# Altium PCB FIT_TDC_ADC.PcbDoc (part 1 of 10)
Units mm, origin at the board's own origin, x right, y up, seen from the top; angles counter-clockwise.
Board outline 89.38 x 69 mm, 8 copper layers (Top Layer, GND1, SIGNAL2, POWER3, POWER4, SIGNAL5, GND6, Bottom Layer), stack 1.028 mm thick; 495 components, 463 nets, 2013 pads, 1239 vias.
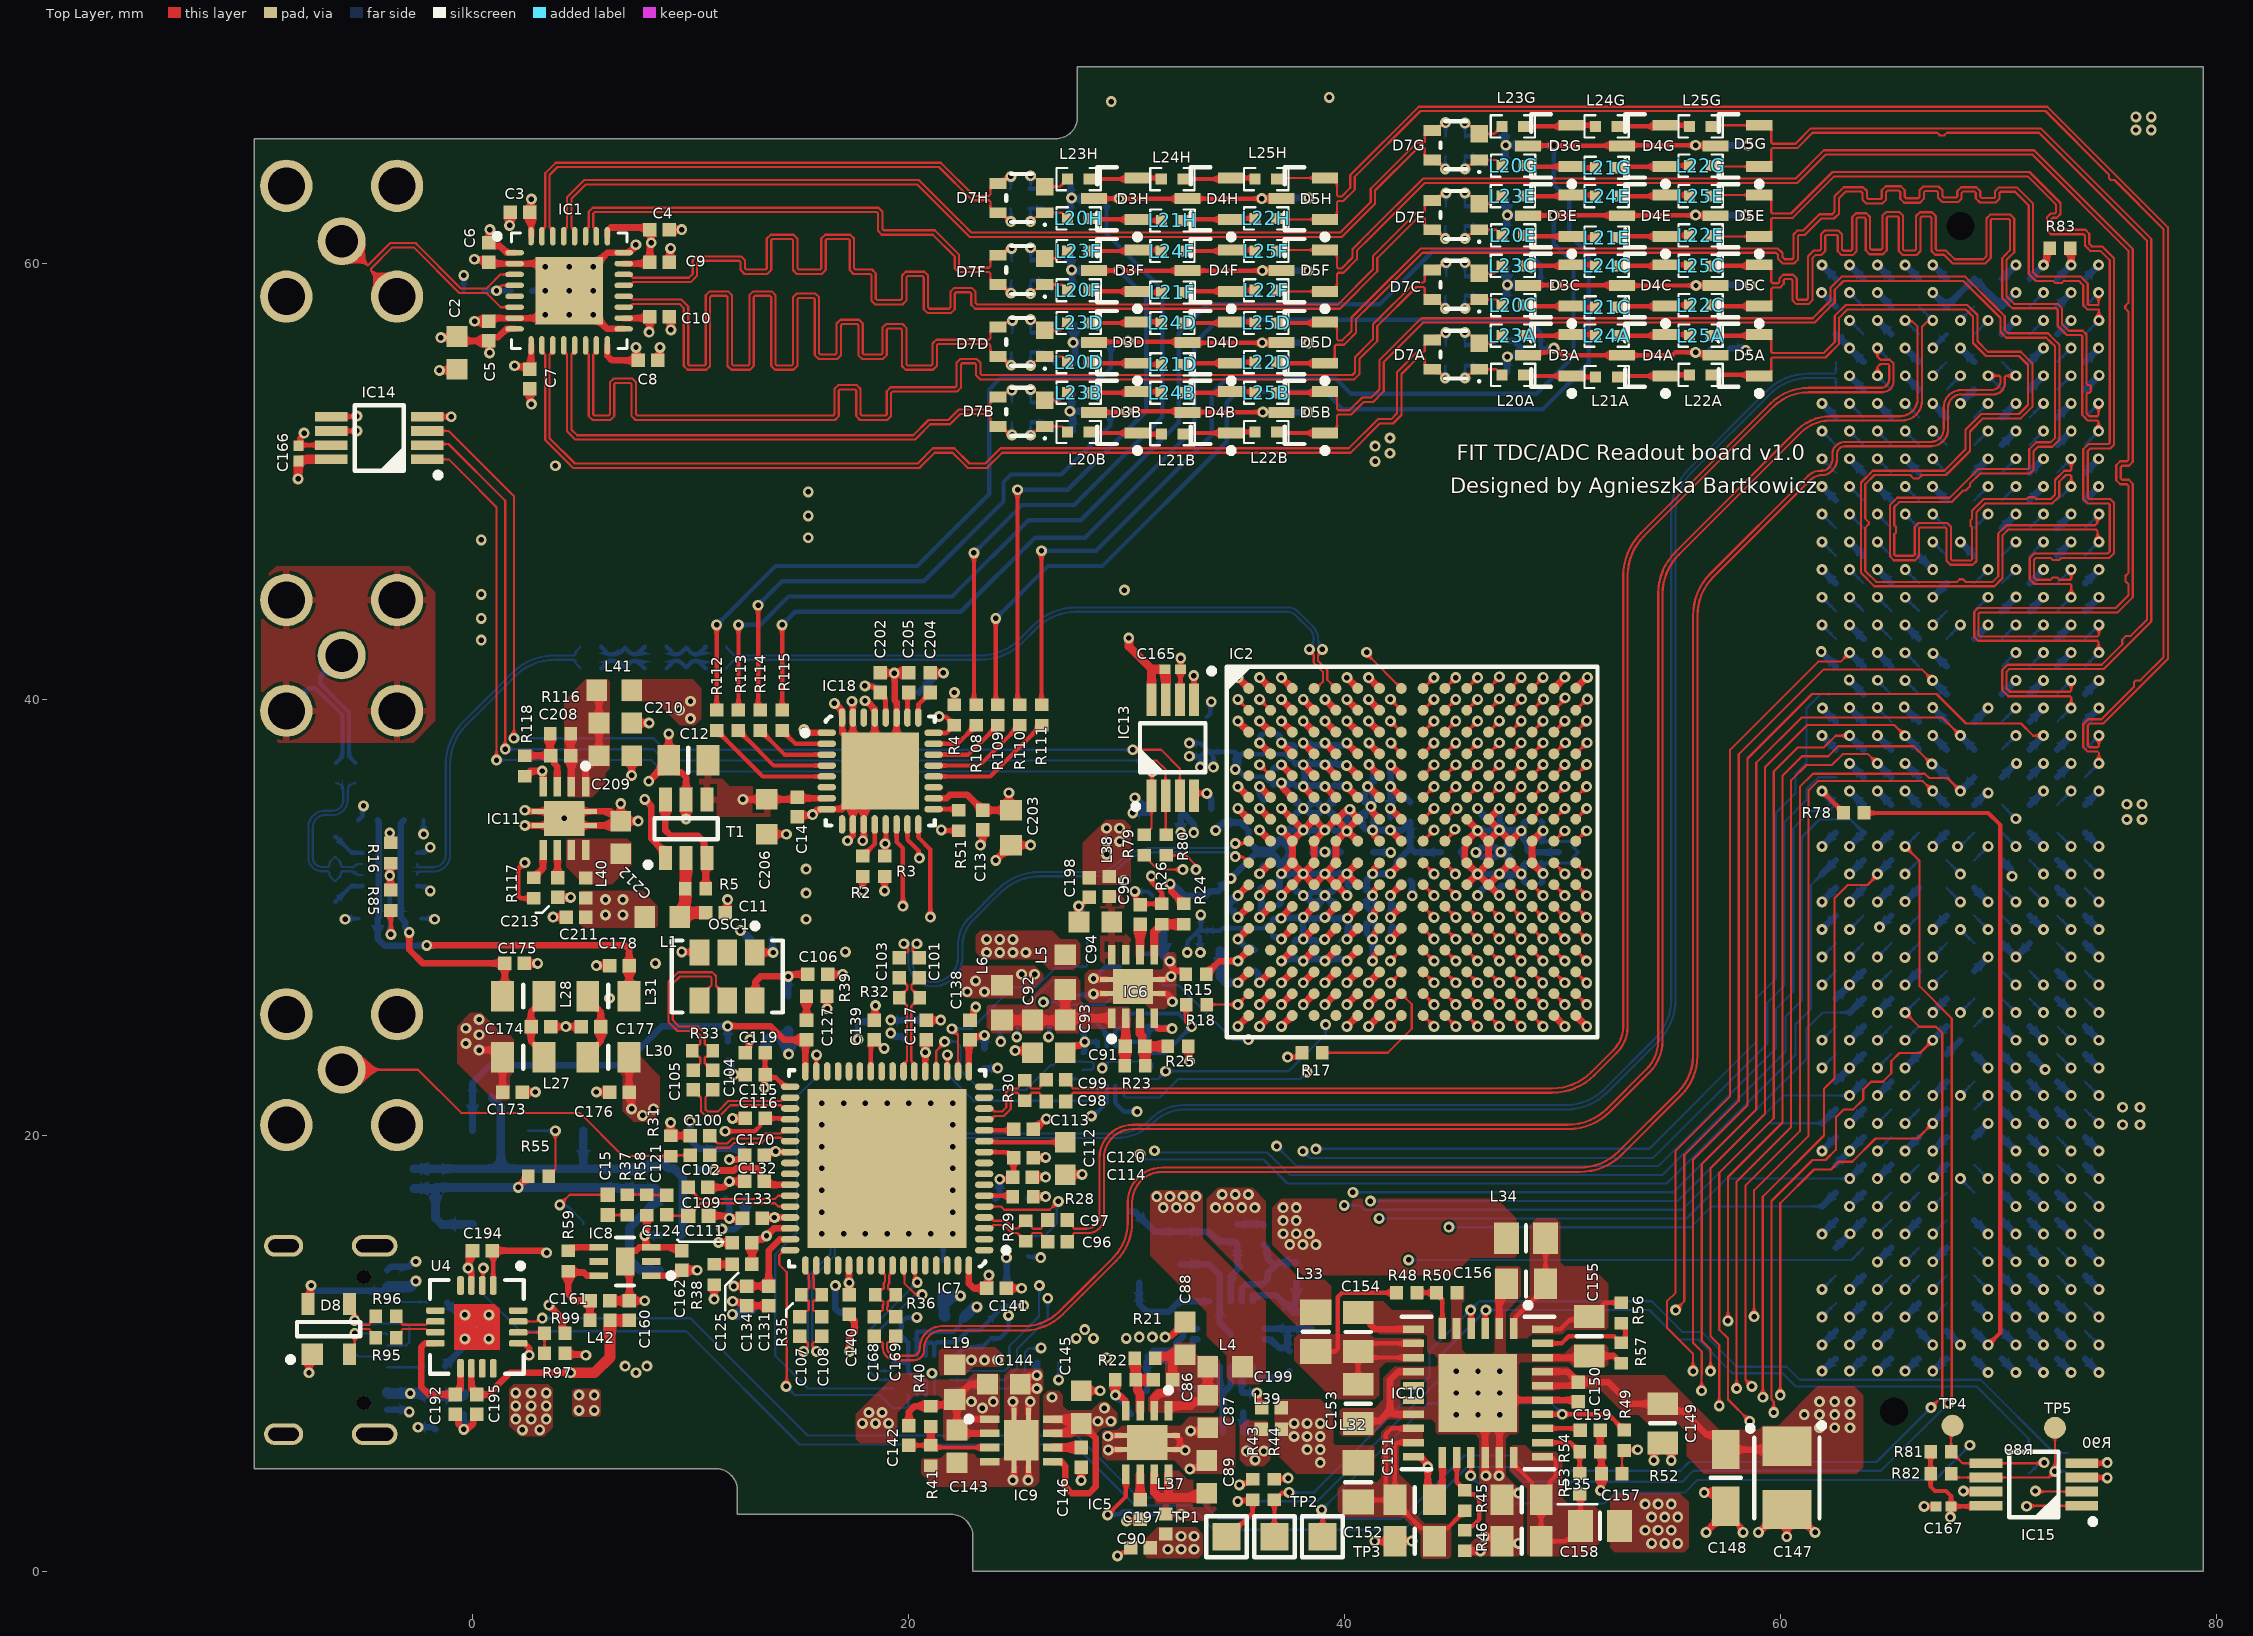
[diagram p0: Top Layer view]
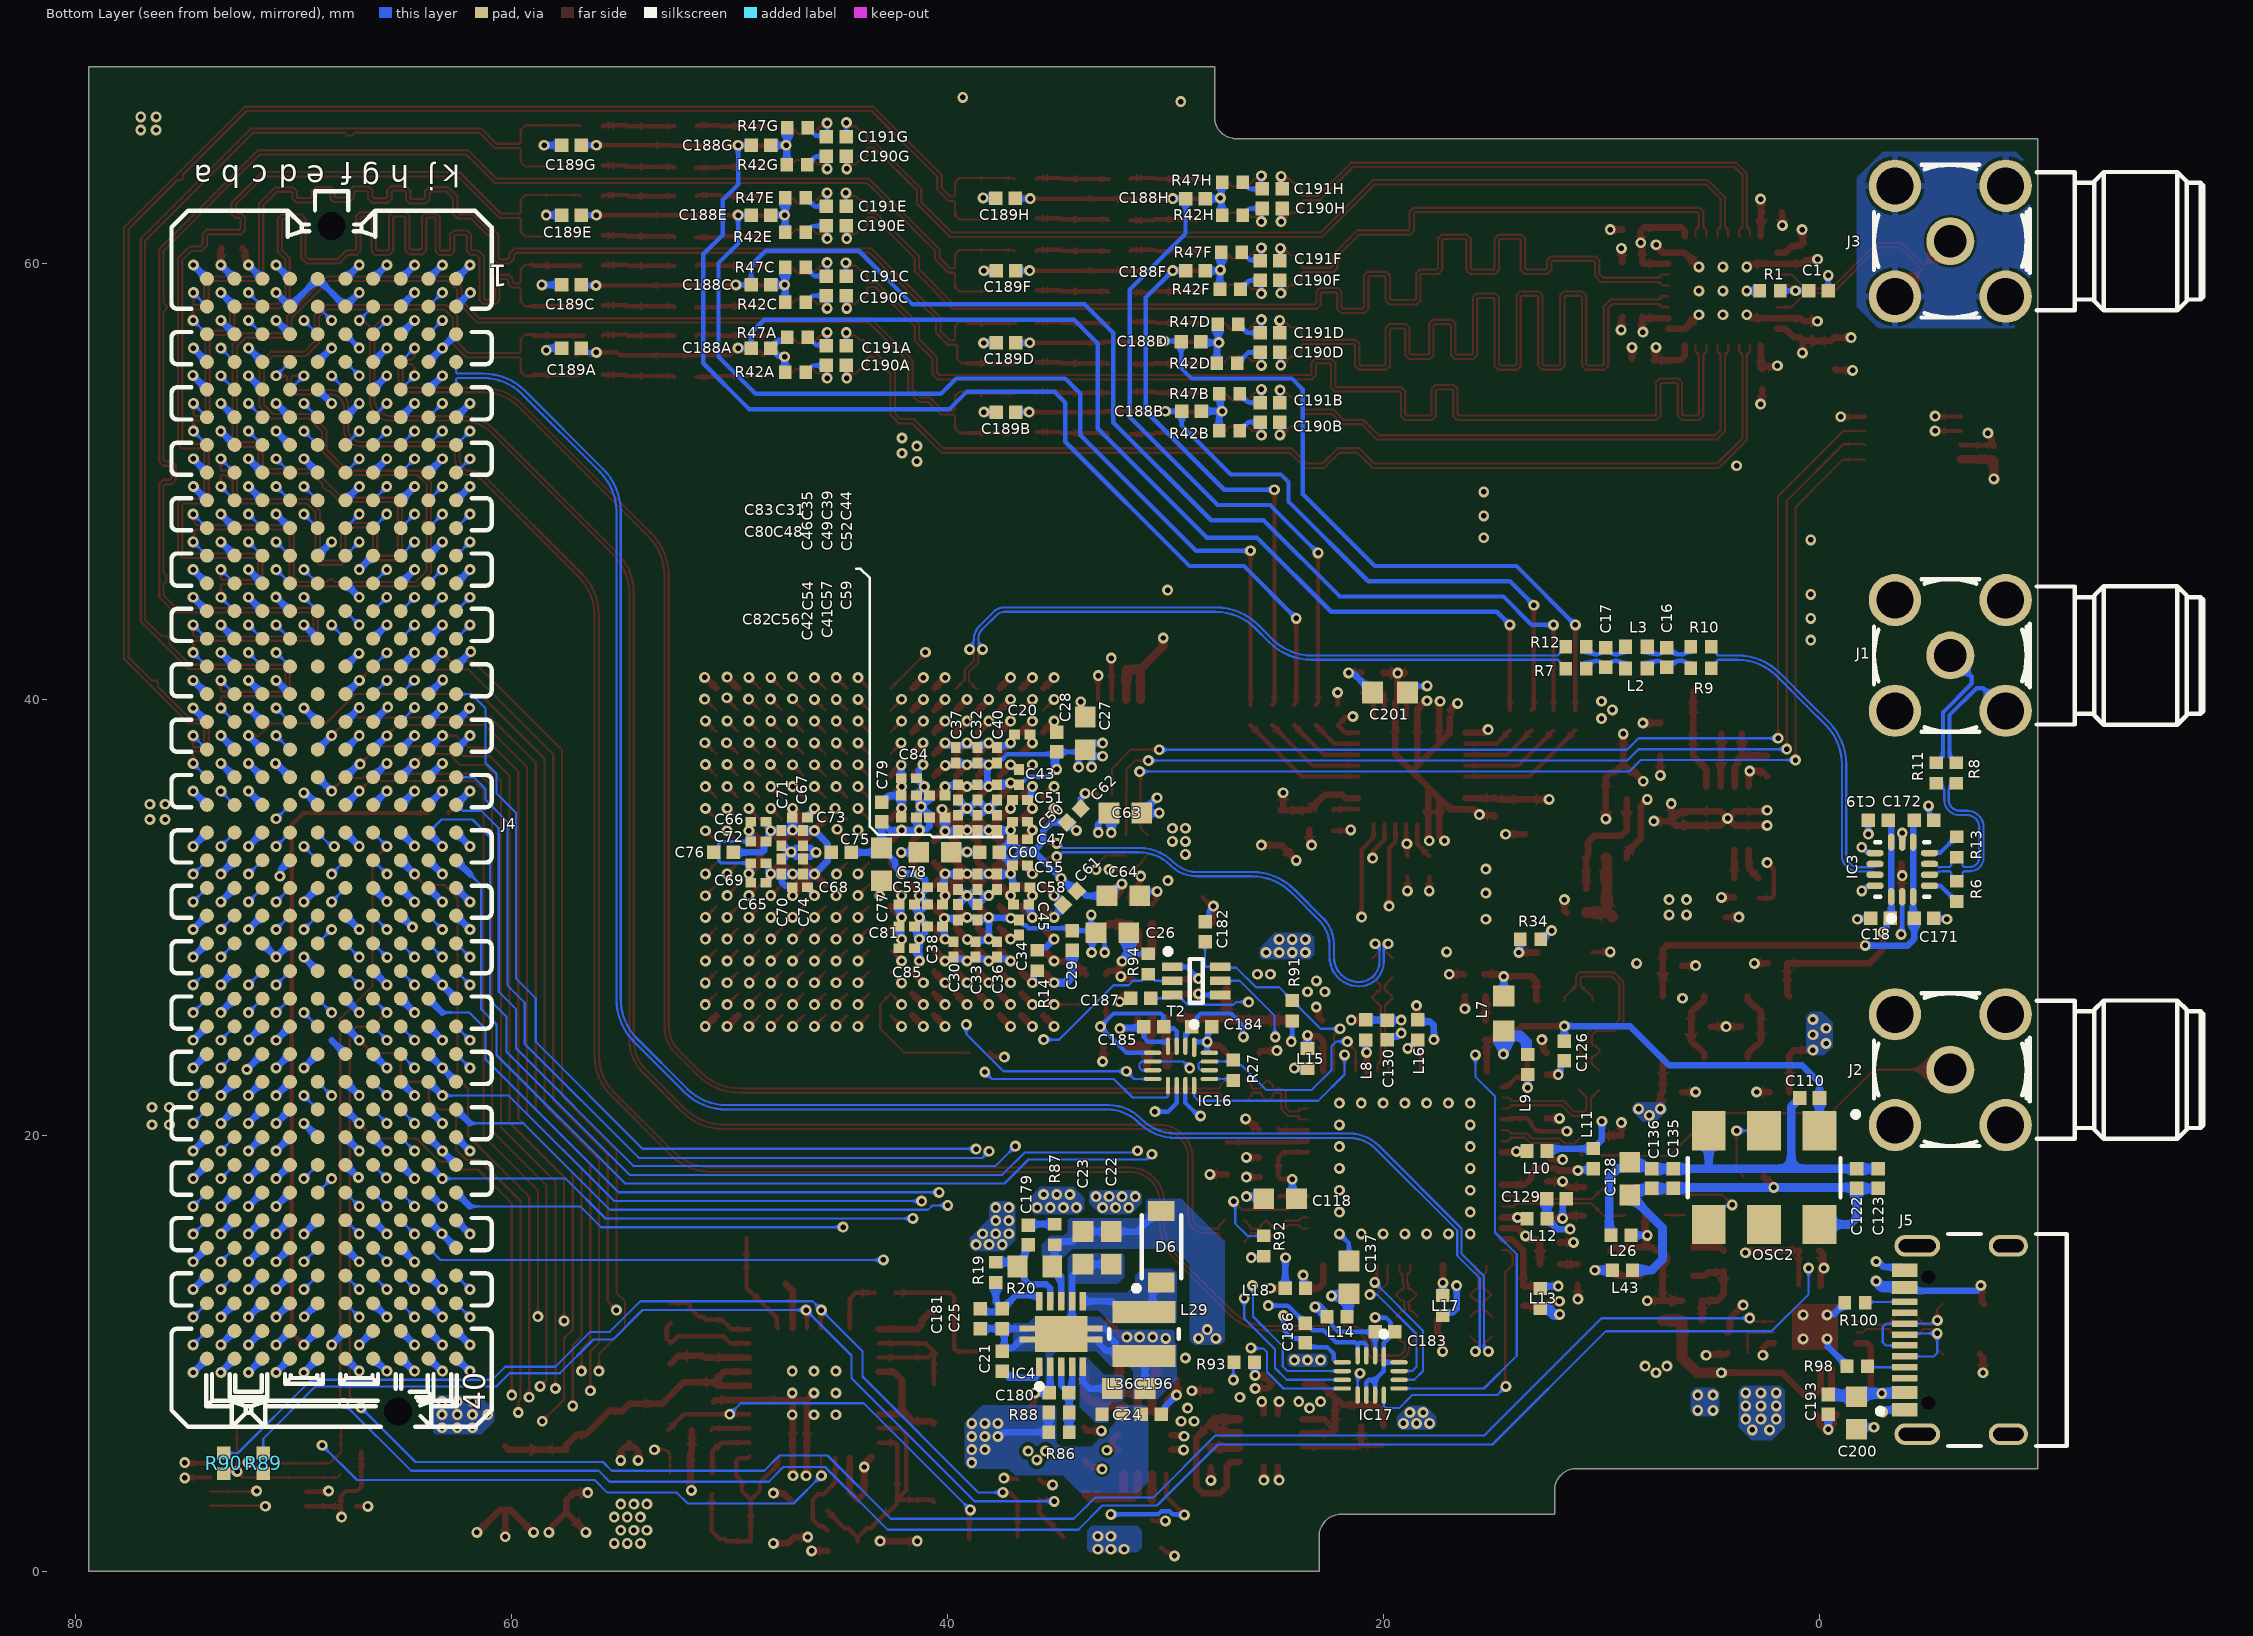
[diagram p1: Bottom Layer view, seen from below]
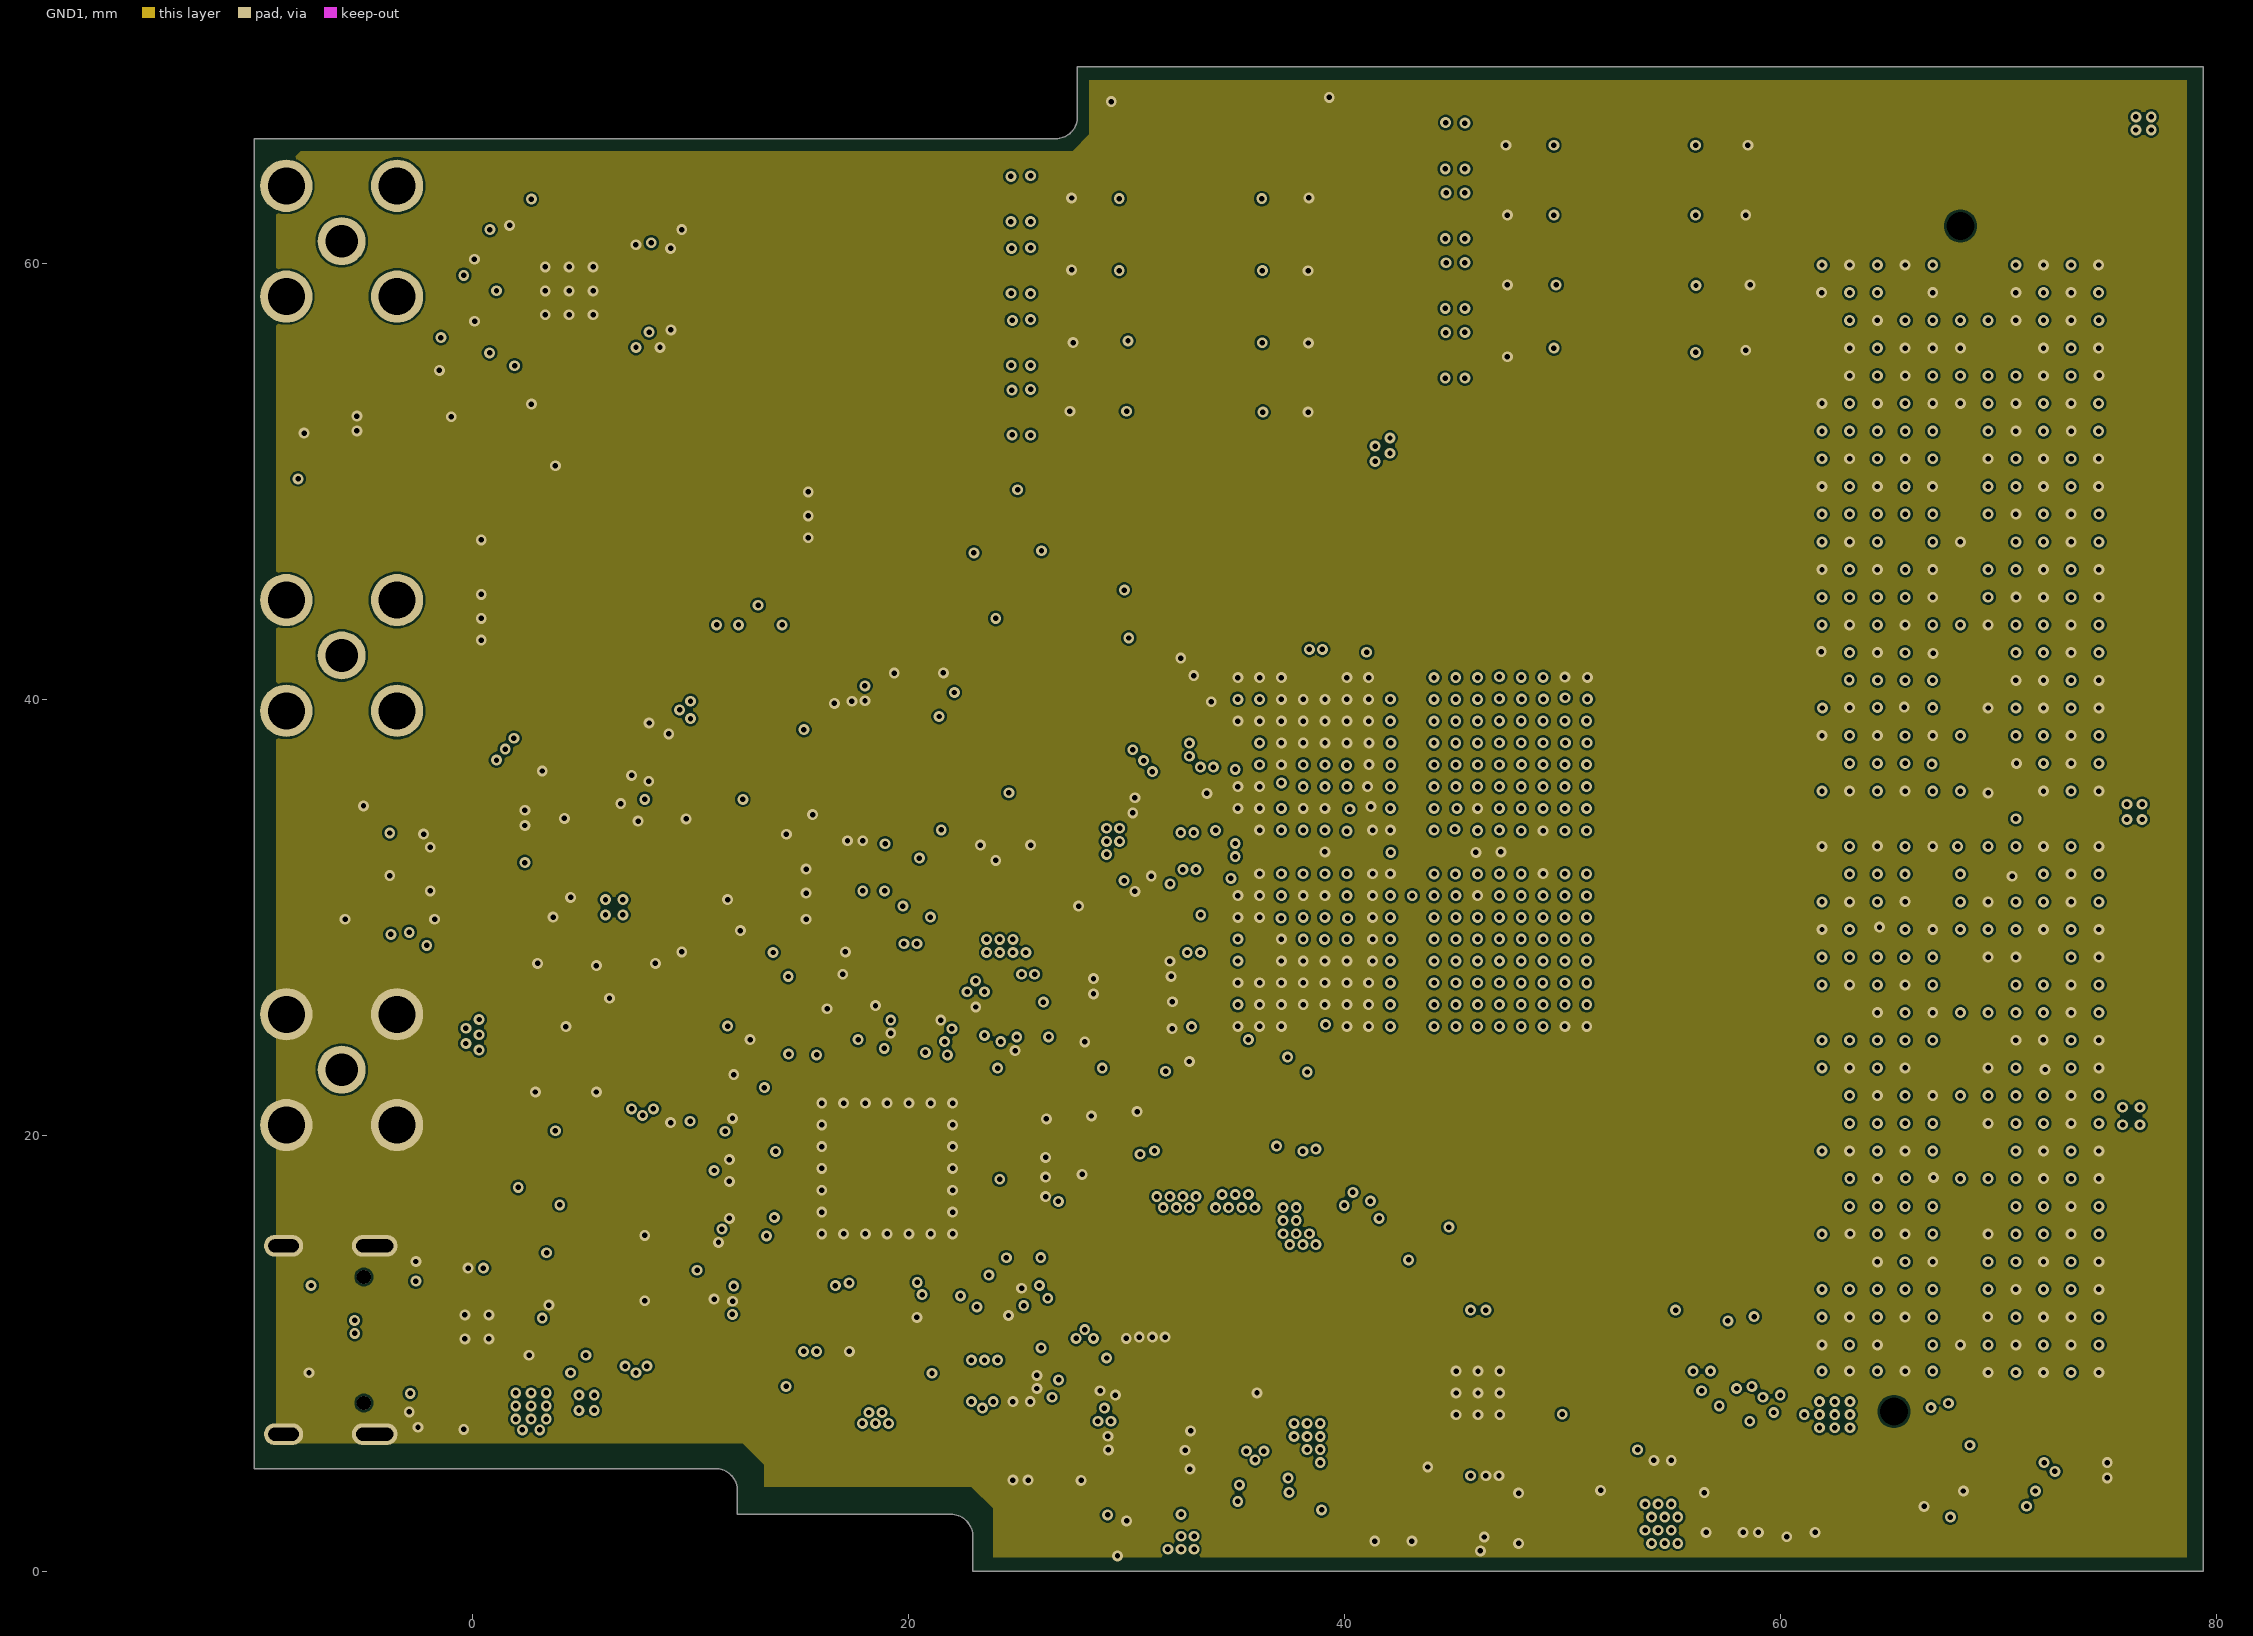
[diagram p2: GND1]